# Allegro board 8880F5-0823_2_1.brd (continued)
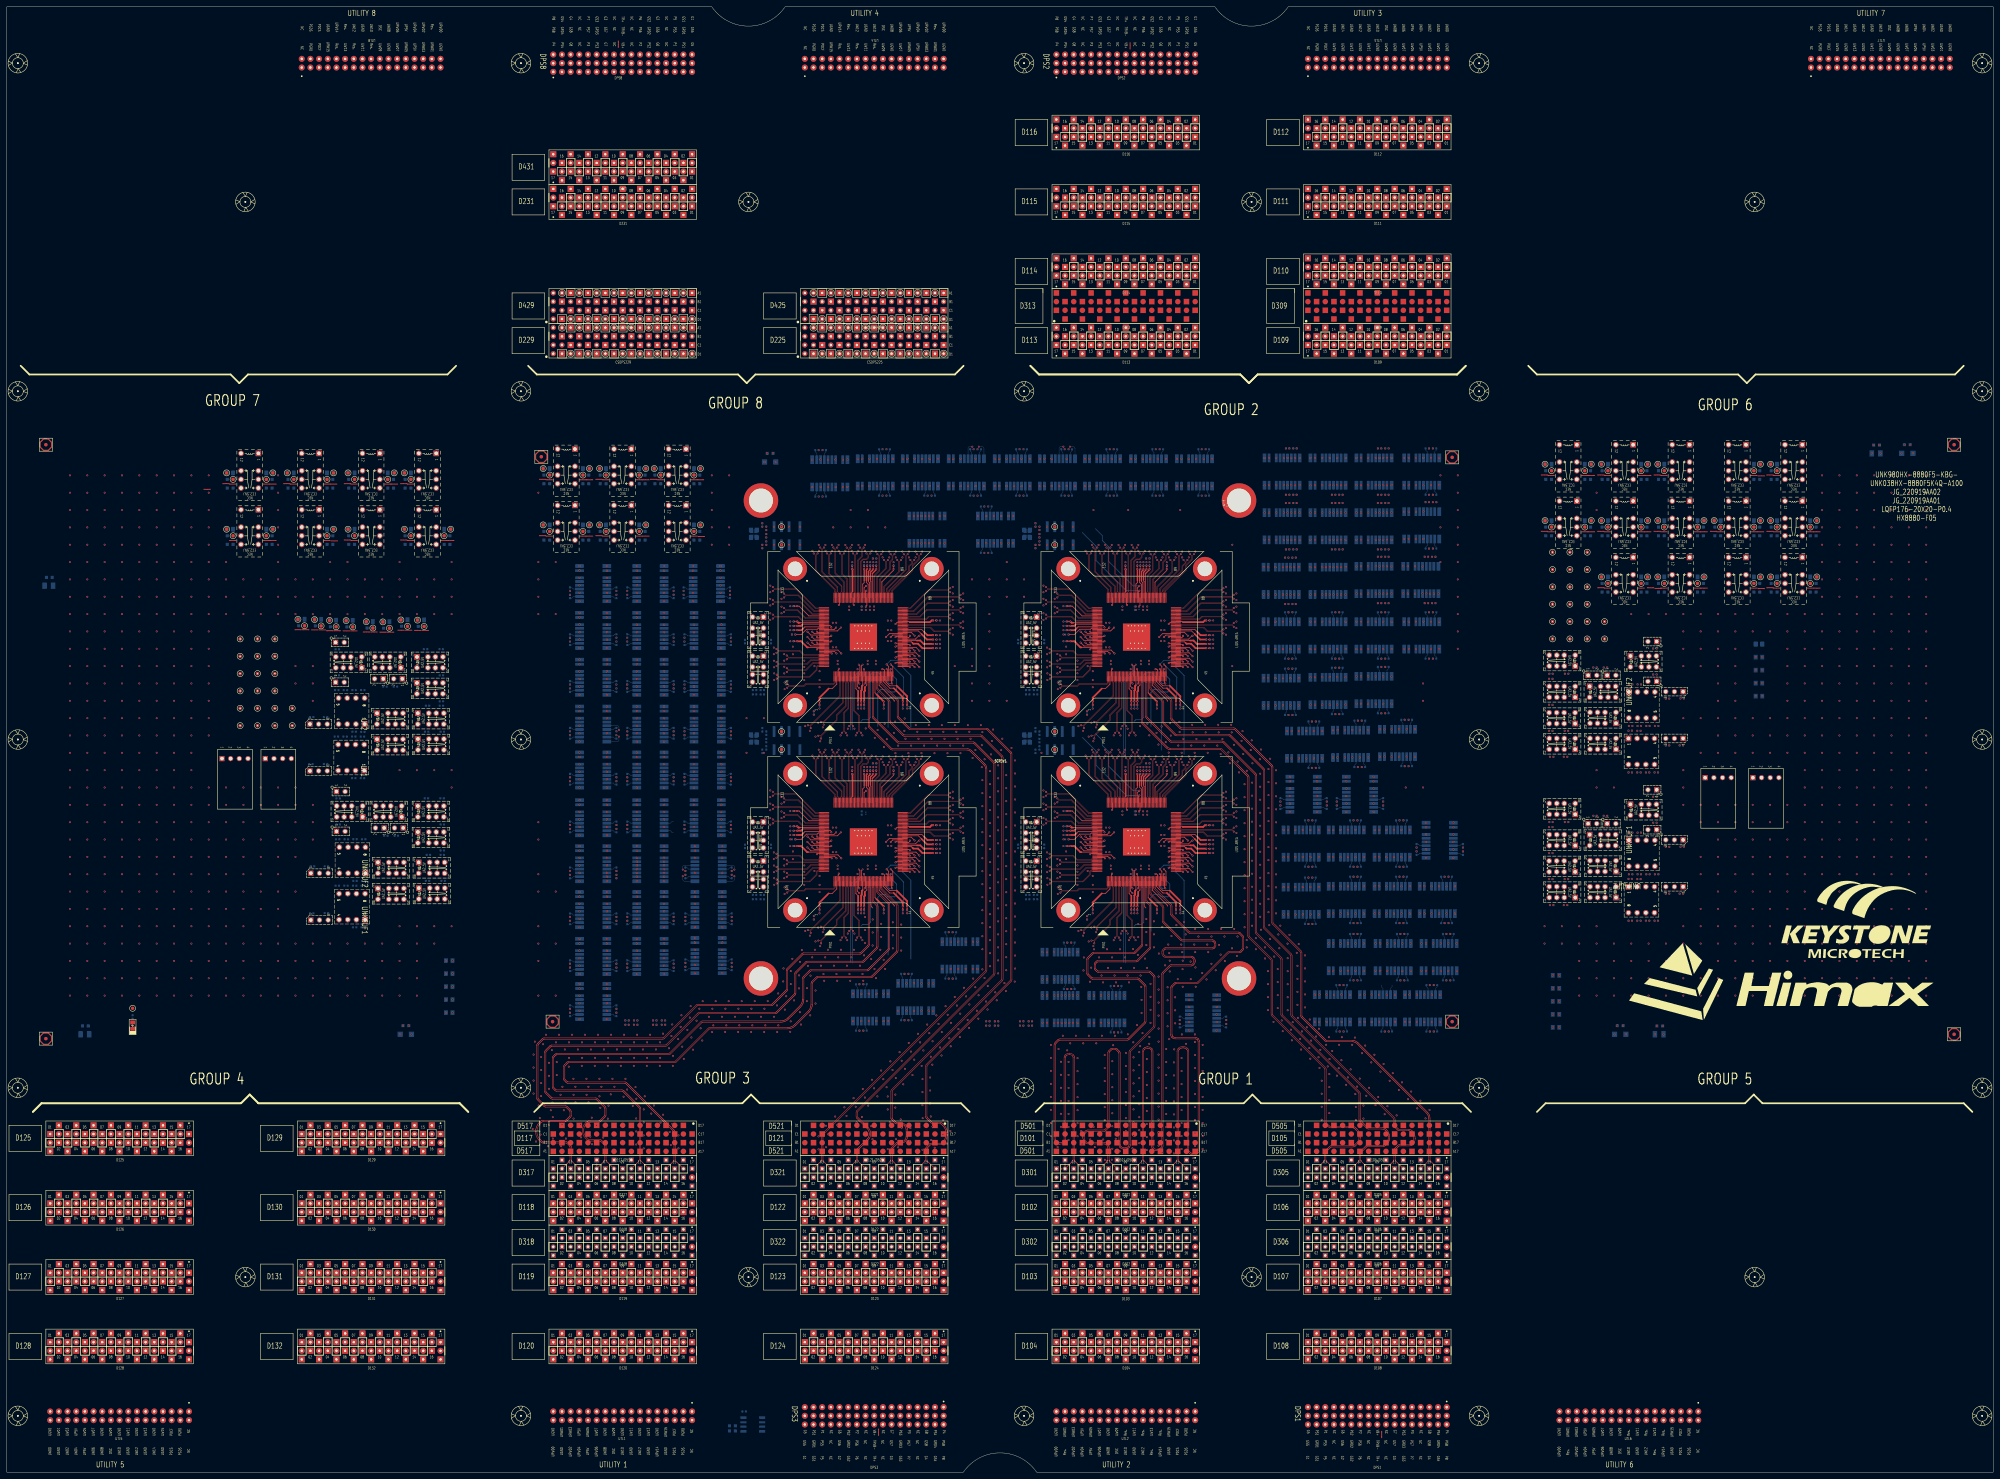
[diagram p0: board, top side]
## Placement (name value [footprint] x y rotation side) (continued)
NOREF#1338  -  []  124.35 187.53 0 top
NOREF#1339  -  []  375.22 163.39 0 top
NOREF#1340  -  []  168.13 254.6 90 top
NOREF#1341  -  []  336.77 223.82 90 top
NOREF#1342  -  []  298.13 274.06 0 top
NOREF#1343  -  []  379 272.56 90 top
NOREF#1344  -  []  385.19 289.12 0 top
NOREF#1345  -  []  127.81 175.44 90 top
NOREF#1346  -  []  483.04 239.09 0 top
NOREF#1347  -  []  334.29 205.55 0 top
NOREF#1348  -  []  343.95 224.74 90 top
NOREF#1349  -  []  310.43 243.09 90 top
NOREF#1350  -  []  250.74 224.74 0 top
NOREF#1351  -  []  385.19 265.11 0 top
NOREF#1352  -  []  265.81 296.86 0 top
NOREF#1353  -  []  272.24 242.32 90 top
NOREF#1354  -  []  351.58 288.86 0 top
NOREF#1355  -  []  194.09 160.4 90 top
NOREF#1356  -  []  237.83 257.63 0 top
NOREF#1357  -  []  184.47 233.47 90 top
NOREF#1358  -  []  106.03 217.88 90 top
NOREF#1359  -  []  199.59 158.5 90 top
NOREF#1360  -  []  418.63 131.94 90 top
NOREF#1361  -  []  116.01 214.71 0 top
NOREF#1362  -  []  128.05 273.87 90 top
NOREF#1363  -  []  84.04 287.84 90 top
NOREF#1364  -  []  369.63 273.11 0 top
NOREF#1365  -  []  166.06 189.04 90 top
NOREF#1366  -  []  259.97 264.35 90 top
NOREF#1367  -  []  201.23 231.27 90 top
NOREF#1368  -  []  182.57 158.5 0 top
NOREF#1369  -  []  310.41 186.34 90 top
NOREF#1370  -  []  229.51 246.66 0 top
NOREF#1371  -  []  410.84 163.64 90 top
NOREF#1372  -  []  184.47 165.4 90 top
NOREF#1373  -  []  297.83 234.63 90 top
NOREF#1374  -  []  240.94 211.63 90 top
NOREF#1375  -  []  449.99 217.9 0 top
NOREF#1376  -  []  377.48 273.16 90 top
NOREF#1377  -  []  263.31 224.72 0 top
NOREF#1378  -  []  167.7 132.72 0 top
NOREF#1379  -  []  184.47 187.92 90 top
NOREF#1380  -  []  332.61 288.86 0 top
NOREF#1381  -  []  303.56 245.29 90 top
NOREF#1382  -  []  453.88 195.91 0 top
NOREF#1383  -  []  312.46 131.69 90 top
NOREF#1384  -  []  310.43 247.61 90 top
NOREF#1385  -  []  424.98 146.43 90 top
NOREF#1386  -  []  298.16 248.49 0 top
NOREF#1387  -  []  331.62 265.56 0 top
NOREF#1388  -  []  111.54 287.84 90 top
NOREF#1389  -  []  167.7 186.57 0 top
NOREF#1390  -  []  331.06 163.82 90 top
NOREF#1391  -  []  230.73 249.2 0 top
NOREF#1392  -  []  201.23 241.43 90 top
NOREF#1393  -  []  317.66 164.74 0 top
NOREF#1394  -  []  329.28 223.82 90 top
NOREF#1395  -  []  182.57 199.39 90 top
NOREF#1396  -  []  301.56 171.46 0 top
NOREF#1397  -  []  354.37 130.67 90 top
NOREF#1398  -  []  397.57 131.89 0 top
NOREF#1399  -  []  302.49 296.86 0 top
NOREF#1400  -  []  371.48 249.11 0 top
NOREF#1401  -  []  408.02 287.22 0 top
NOREF#1402  -  []  251.94 264.65 90 top
NOREF#1403  -  []  473.79 196.21 0 top
NOREF#1404  -  []  271.04 249.18 0 top
NOREF#1405  -  []  110.47 171.02 0 top
NOREF#1406  -  []  309.05 211.67 0 top
NOREF#1407  -  []  192.47 177.76 90 top
NOREF#1408  -  []  175.7 259.8 90 top
NOREF#1409  -  []  415.61 179.97 0 top
NOREF#1410  -  []  84.04 290.38 90 top
NOREF#1411  -  []  271.04 245.5 0 top
NOREF#1412  -  []  453.84 222.5 0 top
NOREF#1413  -  []  254.61 265.86 90 top
NOREF#1414  -  []  408.02 239.21 0 top
NOREF#1415  -  []  402.14 146.88 0 top
NOREF#1416  -  []  182.57 240.28 0 top
NOREF#1417  -  []  250.73 205.56 0 top
NOREF#1418  -  []  274.67 286.96 0 top
NOREF#1419  -  []  283.21 270.2 90 top
NOREF#1420  -  []  450.03 234.74 0 top
NOREF#1421  -  []  248 286.96 0 top
NOREF#1422  -  []  209.49 175.56 90 top
NOREF#1423  -  []  184.47 247.18 90 top
NOREF#1424  -  []  256.45 164.74 0 top
NOREF#1425  -  []  226.83 269.63 90 top
NOREF#1426  -  []  385.19 273.11 0 top
NOREF#1427  -  []  118.99 166.5 90 top
NOREF#1428  -  []  405.42 131.94 90 top
NOREF#1429  -  []  450.03 166.93 0 top
NOREF#1430  -  []  168.13 199.99 90 top
NOREF#1431  -  []  383.09 224.85 0 top
NOREF#1432  -  []  302.11 252.14 0 top
NOREF#1433  -  []  395.2 265.37 0 top
NOREF#1434  -  []  406.65 239.21 90 top
NOREF#1435  -  []  393.19 222.95 90 top
NOREF#1436  -  []  331.06 223.82 90 top
NOREF#1437  -  []  327.25 205.56 90 top
NOREF#1438  -  []  224.65 211.67 0 top
NOREF#1439  -  []  229.21 186.34 0 top
NOREF#1440  -  []  199.59 171.96 90 top
NOREF#1441  -  []  377.32 180.15 0 top
NOREF#1442  -  []  403.41 209.61 0 top
NOREF#1443  -  []  328.96 164.72 0 top
NOREF#1444  -  []  265.81 288.86 0 top
NOREF#1445  -  []  448.94 276.41 90 top
NOREF#1446  -  []  118.45 234.24 90 top
NOREF#1447  -  []  270.04 280.1 0 top
NOREF#1448  -  []  310.43 188.88 90 top
NOREF#1449  -  []  165.8 212.85 90 top
NOREF#1450  -  []  310.73 246.66 0 top
NOREF#1451  -  []  254.29 205.56 90 top
NOREF#1452  -  []  254.29 205.56 0 top
NOREF#1453  -  []  406.65 255.47 90 top
NOREF#1454  -  []  165.8 158.5 90 top
NOREF#1455  -  []  411.99 161.74 90 top
NOREF#1456  -  []  409.17 281.37 0 top
NOREF#1457  -  []  396.55 225.11 0 top
NOREF#1458  -  []  333.4 264.35 90 top
NOREF#1459  -  []  309.51 249.2 0 top
NOREF#1460  -  []  257.08 132.19 90 top
NOREF#1461  -  []  118.96 174.04 90 top
NOREF#1462  -  []  165.8 240.28 90 top
NOREF#1463  -  []  250.5 288.86 0 top
NOREF#1464  -  []  167.7 227.72 90 top
NOREF#1465  -  []  254.8 296.86 0 top
NOREF#1466  -  []  468.01 179.15 0 top
NOREF#1467  -  []  410.27 257.37 0 top
NOREF#1468  -  []  251.22 193.63 0 top
NOREF#1469  -  []  369.38 241.11 0 top
NOREF#1470  -  []  229.21 243.09 0 top
NOREF#1471  -  []  295.19 271.65 90 top
NOREF#1472  -  []  382.47 133.16 90 top
NOREF#1473  -  []  301.34 286.96 0 top
NOREF#1474  -  []  273.09 288.31 90 top
NOREF#1475  -  []  248.96 164.72 0 top
NOREF#1476  -  []  424.47 163.19 90 top
NOREF#1477  -  []  286.81 272.1 0 top
NOREF#1478  -  []  339.65 264.65 90 top
NOREF#1479  -  []  229.51 189.2 0 top
NOREF#1480  -  []  230.43 186.34 0 top
NOREF#1481  -  []  201.23 192.32 90 top
NOREF#1482  -  []  352.55 182.64 0 top
NOREF#1483  -  []  352.55 242.64 0 top
NOREF#1484  -  []  303.84 288.86 0 top
NOREF#1485  -  []  393.74 131.44 90 top
NOREF#1486  -  []  209.23 250.38 90 top
NOREF#1487  -  []  386.53 164.91 90 top
NOREF#1488  -  []  279.7 155.38 0 top
NOREF#1489  -  []  420.88 129.99 90 top
NOREF#1490  -  []  261.21 286.96 0 top
NOREF#1491  -  []  230.73 253.69 0 top
NOREF#1492  -  []  237.98 225.04 90 top
NOREF#1493  -  []  166.06 257.62 90 top
NOREF#1494  -  []  108.01 195.15 0 top
NOREF#1495  -  []  375.73 194.78 90 top
NOREF#1496  -  []  250.5 288.86 0 top
NOREF#1497  -  []  201.23 217.55 90 top
NOREF#1498  -  []  256.77 163.82 90 top
NOREF#1499  -  []  450.03 225.6 0 top
NOREF#1500  -  []  201.66 186.02 90 top
NOREF#1501  -  []  167.7 165.4 90 top
NOREF#1502  -  []  293.66 272.15 90 top
NOREF#1503  -  []  167.7 163.2 90 top
NOREF#1504  -  []  414.82 249.11 0 top
NOREF#1505  -  []  184.47 161 90 top
NOREF#1506  -  []  253.72 265.86 90 top
NOREF#1507  -  []  192.47 162.1 90 top
NOREF#1508  -  []  402.14 146.88 0 top
NOREF#1509  -  []  368.03 232.6 0 top
NOREF#1510  -  []  167.7 159.65 0 top
NOREF#1511  -  []  300.01 288.41 90 top
NOREF#1512  -  []  238.45 197.01 0 top
NOREF#1513  -  []  351.04 185.5 0 top
NOREF#1514  -  []  331.62 205.56 0 top
NOREF#1515  -  []  413.71 178.82 0 top
NOREF#1516  -  []  211.11 173.86 90 top
NOREF#1517  -  []  329.85 224.72 0 top
NOREF#1518  -  []  412.62 241.11 0 top
NOREF#1519  -  []  317.66 224.72 0 top
NOREF#1520  -  []  249.85 224.72 0 top
NOREF#1521  -  []  259.65 264.65 90 top
NOREF#1522  -  []  343.63 223.82 90 top
NOREF#1523  -  []  226.27 156.63 90 top
NOREF#1524  -  []  459.28 227 0 top
NOREF#1525  -  []  385.18 209.11 90 top
NOREF#1526  -  []  230.83 164.63 0 top
NOREF#1527  -  []  392.47 288.57 90 top
NOREF#1528  -  []  450.03 210.36 0 top
NOREF#1529  -  []  263.63 225.04 90 top
NOREF#1530  -  []  461.96 210.36 0 top
NOREF#1531  -  []  337.09 163.52 90 top
NOREF#1532  -  []  398.65 209.36 90 top
NOREF#1533  -  []  221.56 239.06 0 top
NOREF#1534  -  []  251.05 264.65 90 top
NOREF#1535  -  []  334.29 264.35 90 top
NOREF#1536  -  []  473.79 239.64 0 top
NOREF#1537  -  []  378.75 224.05 90 top
NOREF#1538  -  []  218.13 214.06 0 top
NOREF#1539  -  []  353.35 288.41 90 top
NOREF#1540  -  []  238.3 163.52 90 top
NOREF#1541  -  []  310.43 247.61 0 top
NOREF#1542  -  []  410.52 241.11 0 top
NOREF#1543  -  []  199.84 175.58 90 top
NOREF#1544  -  []  389.7 209.36 0 top
NOREF#1545  -  []  415.1 163.64 0 top
NOREF#1546  -  []  263.31 164.72 0 top
NOREF#1547  -  []  352.24 182.32 90 top
NOREF#1548  -  []  230.73 186.66 0 top
NOREF#1549  -  []  388.35 217.36 0 top
NOREF#1550  -  []  263.83 231.63 90 top
NOREF#1551  -  []  167.7 190.12 90 top
NOREF#1552  -  []  518.38 273.87 90 top
NOREF#1553  -  []  240.5 288.61 0 top
NOREF#1554  -  []  272.25 183.59 90 top
NOREF#1555  -  []  192.47 154.88 90 top
NOREF#1556  -  []  400.54 171.64 0 top
NOREF#1557  -  []  401.89 180.15 0 top
NOREF#1558  -  []  511.59 273.87 90 top
NOREF#1559  -  []  175.7 141.67 90 top
NOREF#1560  -  []  254.29 265.56 90 top
NOREF#1561  -  []  217.71 216.09 0 top
NOREF#1562  -  []  313.98 143.79 90 top
NOREF#1563  -  []  354.27 134.07 90 top
NOREF#1564  -  []  311.44 288.86 0 top
NOREF#1565  -  []  118.45 226.62 90 top
NOREF#1566  -  []  330.73 265.56 90 top
NOREF#1567  -  []  400.25 148.15 90 top
NOREF#1568  -  []  201.23 200.54 90 top
NOREF#1569  -  []  552.76 299.72 0 top
NOREF#1570  -  []  379.48 222.7 90 top
NOREF#1571  -  []  168.13 213.45 90 top
NOREF#1572  -  []  368.03 249.11 0 top
NOREF#1573  -  []  127.59 211.59 90 top
NOREF#1574  -  []  329.85 224.74 0 top
NOREF#1575  -  []  337.09 223.52 90 top
NOREF#1576  -  []  554.86 298.45 0 top
NOREF#1577  -  []  381.86 129.99 0 top
NOREF#1578  -  []  272.8 157.28 0 top
NOREF#1579  -  []  333.4 265.55 0 top
NOREF#1580  -  []  317.98 163.82 90 top
NOREF#1581  -  []  461.96 210.36 0 top
NOREF#1582  -  []  309.51 246.66 0 top
NOREF#1583  -  []  463.11 186.77 0 top
NOREF#1584  -  []  401.89 180.15 0 top
NOREF#1585  -  []  380.59 239.21 0 top
NOREF#1586  -  []  257.9 246.99 0 top
NOREF#1587  -  []  120.21 178.64 0 top
NOREF#1588  -  []  256.45 224.72 0 top
NOREF#1589  -  []  201.91 145.63 90 top
NOREF#1590  -  []  478.57 257.36 90 top
NOREF#1591  -  []  271.04 185.5 0 top
NOREF#1592  -  []  108.01 222.33 0 top
NOREF#1593  -  []  321.35 296.86 0 top
NOREF#1594  -  []  330.74 224.72 0 top
NOREF#1595  -  []  272.66 288.86 90 top
NOREF#1596  -  []  98.53 238.84 0 top
NOREF#1597  -  []  326.43 288.41 90 top
NOREF#1598  -  []  175.8 215.25 90 top
NOREF#1599  -  []  250.17 223.82 90 top
NOREF#1600  -  []  461.86 182.17 90 top
NOREF#1601  -  []  262.04 164.74 0 top
NOREF#1602  -  []  351.04 189.82 0 top
NOREF#1603  -  []  297.71 276.09 0 top
NOREF#1604  -  []  122.15 222.33 0 top
NOREF#1605  -  []  385.93 144.98 0 top
NOREF#1606  -  []  343.83 231.63 90 top
NOREF#1607  -  []  368.28 297.12 0 top
NOREF#1608  -  []  88.64 247.45 90 top
NOREF#1609  -  []  384.17 163.39 90 top
NOREF#1610  -  []  121.9 231.22 0 top
NOREF#1611  -  []  450.03 182.17 0 top
NOREF#1612  -  []  250.73 265.55 0 top
NOREF#1613  -  []  320.42 131.64 0 top
NOREF#1614  -  []  247.34 133.41 90 top
NOREF#1615  -  []  394.05 239.21 0 top
NOREF#1616  -  []  184.47 217.55 90 top
NOREF#1617  -  []  297.41 213.24 0 top
NOREF#1618  -  []  331.22 253.63 0 top
NOREF#1619  -  []  404.15 225.11 0 top
NOREF#1620  -  []  385.19 224.85 0 top
NOREF#1621  -  []  393.74 131.34 90 top
NOREF#1622  -  []  272.25 243.59 90 top
NOREF#1623  -  []  393.19 255.21 90 top
NOREF#1624  -  []  327.89 204.35 90 top
NOREF#1625  -  []  511.59 293.82 90 top
NOREF#1626  -  []  482.64 235.89 90 top
NOREF#1627  -  []  405.93 288.67 90 top
NOREF#1628  -  []  392.21 131.94 90 top
NOREF#1629  -  []  403.99 163.64 0 top
NOREF#1630  -  []  288.74 290.13 90 top
NOREF#1631  -  []  259.33 265.56 90 top
NOREF#1632  -  []  410.52 241.11 0 top
NOREF#1633  -  []  175.7 218.65 90 top
NOREF#1634  -  []  309.21 187.61 0 top
NOREF#1635  -  []  485.36 257.36 90 top
NOREF#1636  -  []  251.06 163.82 90 top
NOREF#1637  -  []  351.34 242.64 0 top
NOREF#1638  -  []  272.55 181.37 0 top
NOREF#1639  -  []  166.06 230.19 90 top
NOREF#1640  -  []  419.9 240.56 90 top
NOREF#1641  -  []  272.8 145.48 90 top
NOREF#1642  -  []  184.47 174.46 90 top
NOREF#1643  -  []  184.47 159.65 0 top
NOREF#1644  -  []  230.43 186.34 90 top
NOREF#1645  -  []  252.83 204.65 90 top
NOREF#1646  -  []  346.08 288.86 0 top
NOREF#1647  -  []  395.2 297.12 0 top
NOREF#1648  -  []  192.47 264.1 90 top
NOREF#1649  -  []  381.2 226.12 90 top
NOREF#1650  -  []  327.25 264.35 90 top
NOREF#1651  -  []  175.7 164.3 90 top
NOREF#1652  -  []  397.38 163.64 90 top
NOREF#1653  -  []  184.47 178.86 90 top
NOREF#1654  -  []  408.02 271.47 0 top
NOREF#1655  -  []  244.8 288.61 0 top
NOREF#1656  -  []  419.65 256.92 90 top
NOREF#1657  -  []  461.96 217.98 0 top
NOREF#1658  -  []  462.06 291.28 90 top
NOREF#1659  -  []  175.7 154.88 90 top
NOREF#1660  -  []  201.23 214 0 top
NOREF#1661  -  []  230.43 243.09 90 top
NOREF#1662  -  []  471.11 186.77 0 top
NOREF#1663  -  []  262.68 163.52 90 top
NOREF#1664  -  []  467.51 186.77 0 top
NOREF#1665  -  []  392.73 188.15 0 top
NOREF#1666  -  []  418.12 273.37 0 top
NOREF#1667  -  []  127.95 222.33 0 top
NOREF#1668  -  []  230.43 183.09 0 top
NOREF#1669  -  []  113.08 129.54 0 top
NOREF#1670  -  []  393.19 287.22 90 top
NOREF#1671  -  []  459.28 192.71 90 top
NOREF#1672  -  []  460.93 182.17 90 top
NOREF#1673  -  []  301.56 242.89 0 top
NOREF#1674  -  []  122.41 178.64 0 top
NOREF#1675  -  []  330.17 225.04 90 top
NOREF#1676  -  []  182.57 144.78 0 top
NOREF#1677  -  []  251.06 223.82 90 top
NOREF#1678  -  []  177.33 228.47 90 top
NOREF#1679  -  []  175.7 182.06 90 top
NOREF#1680  -  []  175.7 191.22 90 top
NOREF#1681  -  []  373.68 232.6 0 top
NOREF#1682  -  []  310.41 253.37 90 top
NOREF#1683  -  []  229.21 183.09 0 top
NOREF#1684  -  []  201.49 176.66 90 top
NOREF#1685  -  []  218.16 248.49 0 top
NOREF#1686  -  []  306.71 139.64 0 top
NOREF#1687  -  []  327.57 265.86 90 top
NOREF#1688  -  []  319.33 236.03 90 top
NOREF#1689  -  []  310.73 253.69 0 top
NOREF#1690  -  []  252.51 205.56 90 top
NOREF#1691  -  []  300.36 248.49 0 top
NOREF#1692  -  []  115.87 167.82 90 top
NOREF#1693  -  []  101.82 287.84 90 top
NOREF#1694  -  []  192.47 222.95 90 top
NOREF#1695  -  []  215.96 177.06 0 top
NOREF#1696  -  []  283.91 273.37 90 top
NOREF#1697  -  []  184.47 159.65 90 top
NOREF#1698  -  []  310.43 248.88 0 top
NOREF#1699  -  []  383.09 241.11 0 top
NOREF#1700  -  []  368.03 265.11 0 top
NOREF#1701  -  []  272.24 183.59 90 top
NOREF#1702  -  []  299.81 213.69 90 top
NOREF#1703  -  []  309.51 189.2 0 top
NOREF#1704  -  []  96.33 238.84 0 top
NOREF#1705  -  []  377.23 273.11 0 top
NOREF#1706  -  []  398.65 225.11 0 top
NOREF#1707  -  []  167.7 192.32 90 top
NOREF#1708  -  []  117.01 234.24 90 top
NOREF#1709  -  []  300.11 273.24 90 top
NOREF#1710  -  []  230.43 248.88 90 top
NOREF#1711  -  []  398.65 297.12 0 top
NOREF#1712  -  []  330.51 288.86 0 top
NOREF#1713  -  []  310.43 253.37 90 top
NOREF#1714  -  []  381.74 297.12 0 top
NOREF#1715  -  []  352.25 249.82 0 top
NOREF#1716  -  []  107.18 246.83 90 top
NOREF#1717  -  []  251.33 140.14 0 top
NOREF#1718  -  []  393.19 239.21 90 top
NOREF#1719  -  []  167.7 242.78 90 top
NOREF#1720  -  []  288.14 286.96 0 top
NOREF#1721  -  []  272.24 249.18 90 top
NOREF#1722  -  []  177.33 146.68 90 top
NOREF#1723  -  []  333.72 204.65 90 top
NOREF#1724  -  []  385.32 161.49 90 top
NOREF#1725  -  []  127.3 228.02 90 top
NOREF#1726  -  []  377.32 171.39 0 top
NOREF#1727  -  []  220.36 248.49 0 top
NOREF#1728  -  []  333.72 205.86 90 top
NOREF#1729  -  []  268.01 296.86 0 top
NOREF#1730  -  []  184.47 173.11 0 top
NOREF#1731  -  []  221.56 231.46 0 top
NOREF#1732  -  []  462.06 274.77 90 top
NOREF#1733  -  []  119.95 222.33 0 top
NOREF#1734  -  []  290.64 288.86 0 top
NOREF#1735  -  []  459.24 219.3 90 top
NOREF#1736  -  []  448.94 273.87 90 top
NOREF#1737  -  []  124.39 214.79 0 top
NOREF#1738  -  []  263.31 164.74 0 top
NOREF#1739  -  []  290.11 280.1 0 top
NOREF#1740  -  []  351.04 249.82 0 top
NOREF#1741  -  []  175.7 202.99 90 top
NOREF#1742  -  []  313.98 131.09 90 top
NOREF#1743  -  []  313.56 131.64 90 top
NOREF#1744  -  []  234.33 168.13 90 top
NOREF#1745  -  []  254.29 205.55 0 top
NOREF#1746  -  []  475.04 195.66 0 top
NOREF#1747  -  []  210.86 201.29 90 top
NOREF#1748  -  []  327.25 265.56 0 top
NOREF#1749  -  []  408.88 133.16 90 top
NOREF#1750  -  []  511.59 259.9 90 top
NOREF#1751  -  []  242.23 173.13 90 top
NOREF#1752  -  []  298.16 237.06 0 top
NOREF#1753  -  []  392.24 196.98 90 top
NOREF#1754  -  []  268.94 272.1 0 top
NOREF#1755  -  []  127.99 214.79 0 top
NOREF#1756  -  []  465.81 179.15 0 top
NOREF#1757  -  []  250.17 225.04 90 top
NOREF#1758  -  []  192.47 202.99 90 top
NOREF#1759  -  []  310.73 193.69 0 top
NOREF#1760  -  []  272.24 243.59 90 top
NOREF#1761  -  []  518.38 290.38 90 top
NOREF#1762  -  []  201.49 161 90 top
NOREF#1763  -  []  415.6 146.88 0 top
NOREF#1764  -  []  271.34 189.5 0 top
NOREF#1765  -  []  221.87 295.91 0 top
NOREF#1766  -  []  272.55 182.64 0 top
NOREF#1767  -  []  461.96 174.55 0 top
NOREF#1768  -  []  273.24 272.1 0 top
NOREF#1769  -  []  263.95 223.52 90 top
NOREF#1770  -  []  112.41 214.71 0 top
NOREF#1771  -  []  379.48 239.21 90 top
NOREF#1772  -  []  165.8 212.85 0 top
NOREF#1773  -  []  167.7 233.47 90 top
NOREF#1774  -  []  199.84 162.12 90 top
NOREF#1775  -  []  424.55 146.88 90 top
NOREF#1776  -  []  109.96 238.84 0 top
NOREF#1777  -  []  420.62 239.21 90 top
NOREF#1778  -  []  383.09 273.11 0 top
NOREF#1779  -  []  407.71 217.61 0 top
NOREF#1780  -  []  451.64 179.06 0 top
NOREF#1781  -  []  310.43 194.01 0 top
NOREF#1782  -  []  395.2 233.11 0 top
NOREF#1783  -  []  115.99 130.36 90 top
NOREF#1784  -  []  184.47 186.57 90 top
NOREF#1785  -  []  122.44 171.1 0 top
NOREF#1786  -  []  241.6 296.61 0 top
NOREF#1787  -  []  343.95 163.52 90 top
NOREF#1788  -  []  298.13 274.06 90 top
NOREF#1789  -  []  309.21 183.09 0 top
NOREF#1790  -  []  199.33 199.39 0 top
NOREF#1791  -  []  93.02 247.21 90 top
NOREF#1792  -  []  249.13 140.14 0 top
NOREF#1793  -  []  406.95 131.44 90 top
NOREF#1794  -  []  272.55 185.18 0 top
NOREF#1795  -  []  419.9 154.88 0 top
NOREF#1796  -  []  303.56 173.86 90 top
NOREF#1797  -  []  321.82 227.13 90 top
NOREF#1798  -  []  331.05 205.86 90 top
NOREF#1799  -  []  249.85 164.72 0 top
NOREF#1800  -  []  194.09 201.29 90 top
NOREF#1801  -  []  413.71 178.82 90 top
NOREF#1802  -  []  327.25 205.55 0 top
NOREF#1803  -  []  119.95 187.53 0 top
NOREF#1804  -  []  408.92 265.37 0 top
NOREF#1805  -  []  449.99 174.46 0 top
NOREF#1806  -  []  312.21 131.64 0 top
NOREF#1807  -  []  210.6 255.9 90 top
NOREF#1808  -  []  411.09 146.88 90 top
NOREF#1809  -  []  172.08 289.11 90 top
NOREF#1810  -  []  310.43 183.09 0 top
NOREF#1811  -  []  332.51 264.35 90 top
NOREF#1812  -  []  167.7 178.86 90 top
NOREF#1813  -  []  104.18 191.95 0 top
NOREF#1814  -  []  273.95 147.38 90 top
NOREF#1815  -  []  309.51 247.93 0 top
NOREF#1816  -  []  107.02 179.19 0 top
NOREF#1817  -  []  300.36 237.06 0 top
NOREF#1818  -  []  115.61 191.95 0 top
NOREF#1819  -  []  331.62 205.56 90 top
NOREF#1820  -  []  371.48 232.6 0 top
NOREF#1821  -  []  344.37 128.27 0 top
NOREF#1822  -  []  311.69 288.91 90 top
NOREF#1823  -  []  263.71 288.86 0 top
NOREF#1824  -  []  403.99 171.64 0 top
NOREF#1825  -  []  251.62 265.56 90 top
NOREF#1826  -  []  485.36 259.9 90 top
NOREF#1827  -  []  367.48 258.38 90 top
NOREF#1828  -  []  392.04 224.85 90 top
NOREF#1829  -  []  209.23 243.88 90 top
NOREF#1830  -  []  66.26 290.38 90 top
NOREF#1831  -  []  398.53 144.98 90 top
NOREF#1832  -  []  378.33 209.11 0 top
NOREF#1833  -  []  221.56 190.49 0 top
NOREF#1834  -  []  374.34 210.38 90 top
NOREF#1835  -  []  310.43 187.61 0 top
NOREF#1836  -  []  219.81 273.69 90 top
NOREF#1837  -  []  235.4 289.88 90 top
NOREF#1838  -  []  322.23 173.13 0 top
NOREF#1839  -  []  251.62 205.56 90 top
NOREF#1840  -  []  108.01 214.71 0 top
NOREF#1841  -  []  251.86 252.43 90 top
NOREF#1842  -  []  245.15 288.66 90 top
NOREF#1843  -  []  392.47 240.56 90 top
NOREF#1844  -  []  182.57 144.78 90 top
NOREF#1845  -  []  230.43 194.01 0 top
NOREF#1846  -  []  310.73 249.2 0 top
NOREF#1847  -  []  330.51 288.86 0 top
NOREF#1848  -  []  396.55 289.12 0 top
NOREF#1849  -  []  192.57 160.9 90 top
NOREF#1850  -  []  398.53 178.25 90 top
NOREF#1851  -  []  477.24 239.09 0 top
NOREF#1852  -  []  383.09 257.11 0 top
NOREF#1853  -  []  392.04 241.11 90 top
NOREF#1854  -  []  165.8 240.28 0 top
NOREF#1855  -  []  337.9 186.99 0 top
NOREF#1856  -  []  390.94 289.17 90 top
NOREF#1857  -  []  115.61 211.51 90 top
NOREF#1858  -  []  416.03 179.42 90 top
NOREF#1859  -  []  397.57 131.89 0 top
NOREF#1860  -  []  306.83 269.63 90 top
NOREF#1861  -  []  310.43 186.34 0 top
NOREF#1862  -  []  302.71 145.61 90 top
NOREF#1863  -  []  344.62 131.89 90 top
NOREF#1864  -  []  451.68 230.2 0 top
NOREF#1865  -  []  285.02 288.91 90 top
NOREF#1866  -  []  236.27 289.16 90 top
NOREF#1867  -  []  313.56 144.34 90 top
NOREF#1868  -  []  106.76 215.26 0 top
NOREF#1869  -  []  251.54 252.73 90 top
NOREF#1870  -  []  182.82 162.12 90 top
NOREF#1871  -  []  175.7 148.38 90 top
NOREF#1872  -  []  252.51 204.35 90 top
NOREF#1873  -  []  250.73 205.56 90 top
NOREF#1874  -  []  412.88 139.89 0 top
NOREF#1875  -  []  409.74 146.88 0 top
NOREF#1876  -  []  230.41 247.61 90 top
NOREF#1877  -  []  167.7 255.15 0 top
NOREF#1878  -  []  471.11 230.2 0 top
NOREF#1879  -  []  184.47 145.93 90 top
NOREF#1880  -  []  182.57 254 90 top
NOREF#1881  -  []  165.8 199.39 90 top
NOREF#1882  -  []  415.08 139.89 0 top
NOREF#1883  -  []  341.63 195.43 90 top
NOREF#1884  -  []  182.57 171.96 90 top
NOREF#1885  -  []  308.91 152.34 0 top
NOREF#1886  -  []  294.94 296.86 0 top
NOREF#1887  -  []  306.71 152.34 0 top
NOREF#1888  -  []  272.55 245.18 0 top
NOREF#1889  -  []  398.65 273.11 0 top
NOREF#1890  -  []  261.63 173.83 90 top
NOREF#1891  -  []  184.47 200.54 90 top
NOREF#1892  -  []  315.82 129.74 0 top
NOREF#1893  -  []  310.43 246.34 90 top
NOREF#1894  -  []  378.33 217.11 0 top
NOREF#1895  -  []  328.62 290.13 90 top
NOREF#1896  -  []  128.05 271.33 90 top
NOREF#1897  -  []  378.75 240.56 90 top
NOREF#1898  -  []  559.43 297.18 90 top
NOREF#1899  -  []  127.55 219.13 90 top
NOREF#1900  -  []  312.46 144.39 90 top
NOREF#1901  -  []  342.36 163.82 90 top
NOREF#1902  -  []  118.74 215.34 0 top
NOREF#1903  -  []  272.25 245.5 0 top
NOREF#1904  -  []  318.45 257.01 0 top
NOREF#1905  -  []  285.71 280.1 0 top
NOREF#1906  -  []  331.62 265.56 90 top
NOREF#1907  -  []  229.51 186.66 0 top
NOREF#1908  -  []  468.01 222.58 0 top
NOREF#1909  -  []  262.04 224.72 0 top
NOREF#1910  -  []  412.62 249.11 0 top
NOREF#1911  -  []  104.18 191.95 90 top
NOREF#1912  -  []  295.96 237.06 0 top
NOREF#1913  -  []  400.85 297.12 0 top
NOREF#1914  -  []  325.92 131.64 0 top
NOREF#1915  -  []  201.23 190.12 90 top
NOREF#1916  -  []  271.04 189.18 0 top
NOREF#1917  -  []  201.49 146.18 0 top
NOREF#1918  -  []  309.21 253.37 0 top
NOREF#1919  -  []  327.25 204.35 90 top
NOREF#1920  -  []  415.61 185.72 90 top
NOREF#1921  -  []  192.57 147.18 90 top
NOREF#1922  -  []  296.96 240.71 0 top
NOREF#1923  -  []  258.2 246.67 0 top
NOREF#1924  -  []  310.83 224.63 0 top
NOREF#1925  -  []  473.79 234.49 90 top
NOREF#1926  -  []  230.43 193.37 90 top
NOREF#1927  -  []  317.57 269.63 90 top
NOREF#1928  -  []  230.43 189.52 0 top
NOREF#1929  -  []  209.49 150.83 90 top
NOREF#1930  -  []  182.57 212.85 0 top
NOREF#1931  -  []  217.83 234.63 90 top
NOREF#1932  -  []  383.83 194.68 90 top
NOREF#1933  -  []  259.33 265.56 0 top
NOREF#1934  -  []  229.21 246.34 0 top
NOREF#1935  -  []  167.7 204.09 90 top
NOREF#1936  -  []  237.66 164.72 0 top
NOREF#1937  -  []  209.23 205.19 90 top
NOREF#1938  -  []  259.33 205.55 0 top
NOREF#1939  -  []  330.17 165.04 90 top
NOREF#1940  -  []  468.68 129.54 0 top
NOREF#1941  -  []  310.43 193.37 90 top
NOREF#1942  -  []  456.08 195.91 0 top
NOREF#1943  -  []  381.2 242.38 90 top
NOREF#1944  -  []  320.94 211.63 90 top
NOREF#1945  -  []  112.41 222.33 0 top
NOREF#1946  -  []  394.05 223.21 0 top
NOREF#1947  -  []  271.34 249.5 0 top
NOREF#1948  -  []  369.38 224.6 0 top
NOREF#1949  -  []  296.96 192.14 0 top
NOREF#1950  -  []  175.7 162.1 90 top
NOREF#1951  -  []  258.1 288.86 0 top
NOREF#1952  -  []  333.33 241.33 90 top
NOREF#1953  -  []  379.01 272.66 90 top
NOREF#1954  -  []  248.61 290.13 90 top
NOREF#1955  -  []  101.29 247.16 90 top
NOREF#1956  -  []  390.69 257.11 0 top
NOREF#1957  -  []  230.43 248.88 0 top
NOREF#1958  -  []  182.82 243.9 90 top
NOREF#1959  -  []  194.09 255.9 90 top
NOREF#1960  -  []  250.18 242.88 0 top
NOREF#1961  -  []  117.33 247.35 90 top
NOREF#1962  -  []  405.5 241.11 90 top
NOREF#1963  -  []  405.5 225.11 90 top
NOREF#1964  -  []  339.33 265.55 0 top
NOREF#1965  -  []  128.24 171.1 0 top
NOREF#1966  -  []  230.73 247.93 0 top
NOREF#1967  -  []  225.83 264.31 0 top
NOREF#1968  -  []  331.38 163.52 90 top
NOREF#1969  -  []  341.48 286.96 0 top
NOREF#1970  -  []  318.3 224.74 90 top
NOREF#1971  -  []  355.89 130.17 90 top
NOREF#1972  -  []  230.41 186.34 90 top
NOREF#1973  -  []  352.24 189.18 90 top
